# Altium PCB OneChannelPrototype.PcbDoc (part 1 of 2)
Units mil, origin at the board's own origin, x right, y up, seen from the top; angles counter-clockwise.
Board outline 6000 x 4000 mil, 2 copper layers (Top Layer, Bottom Layer); 251 components, 206 nets, 944 pads, 0 vias.
Unrouted connection lines stored in the file: 704.
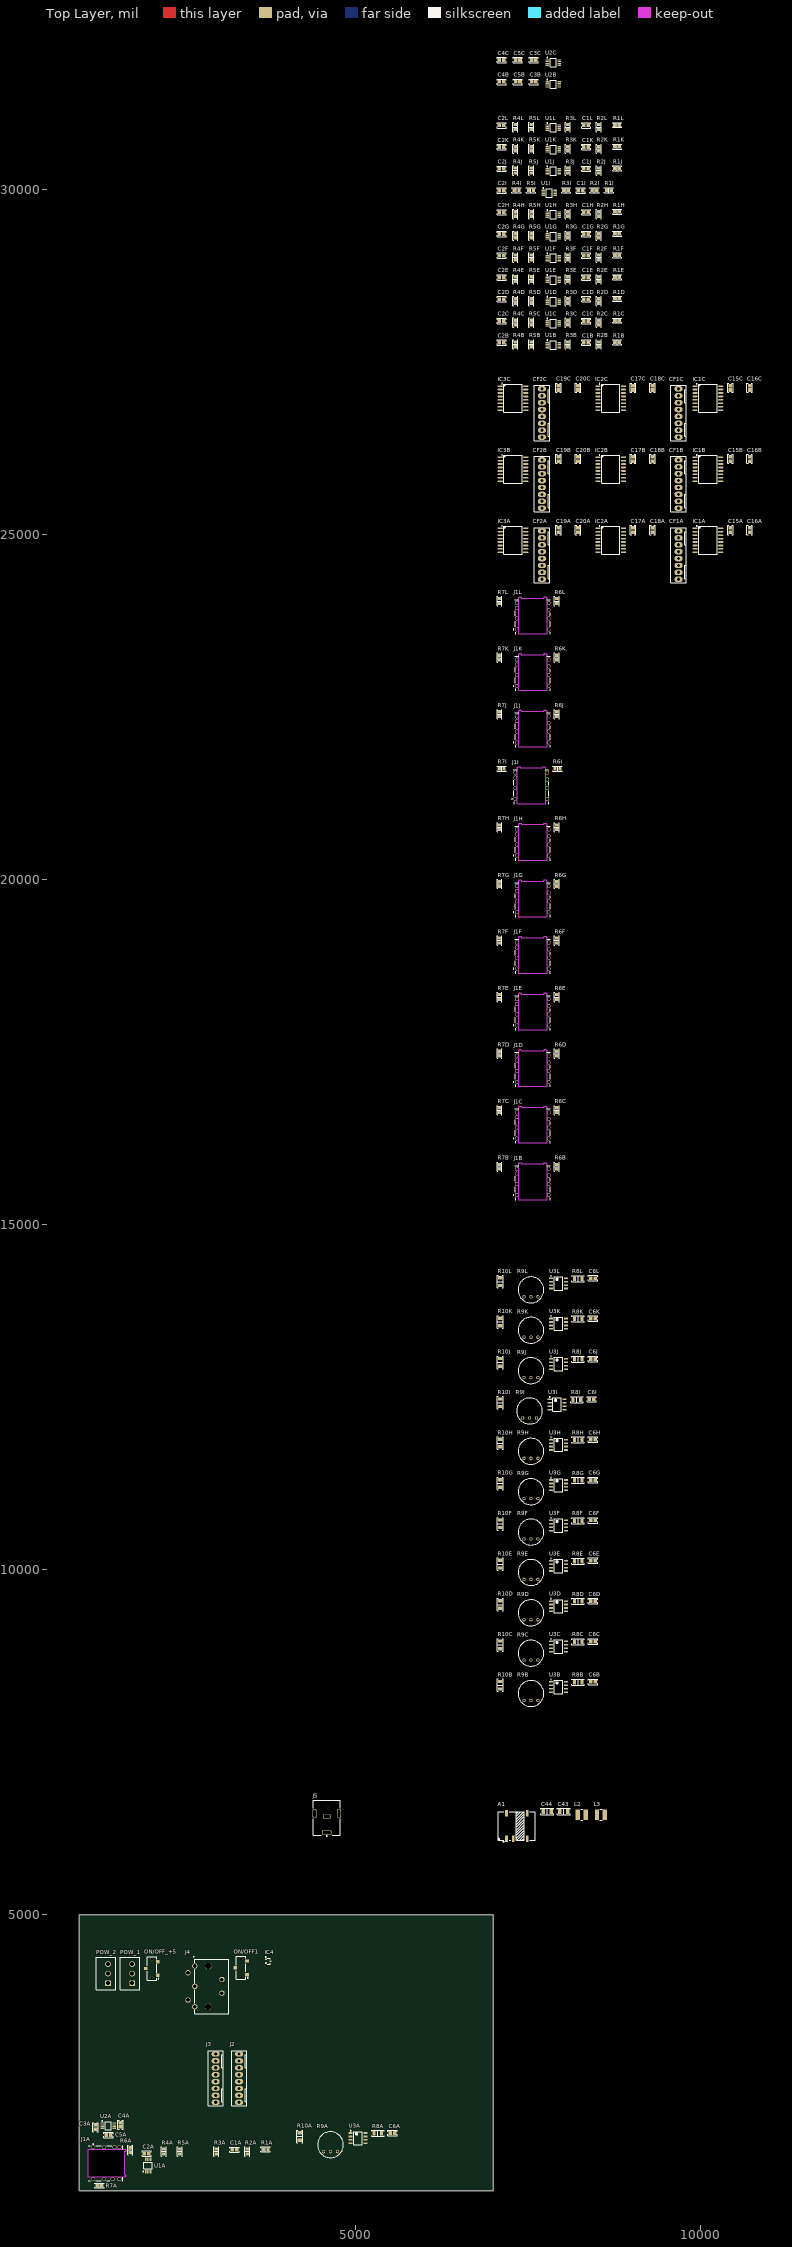
[diagram p0: Top Layer view]
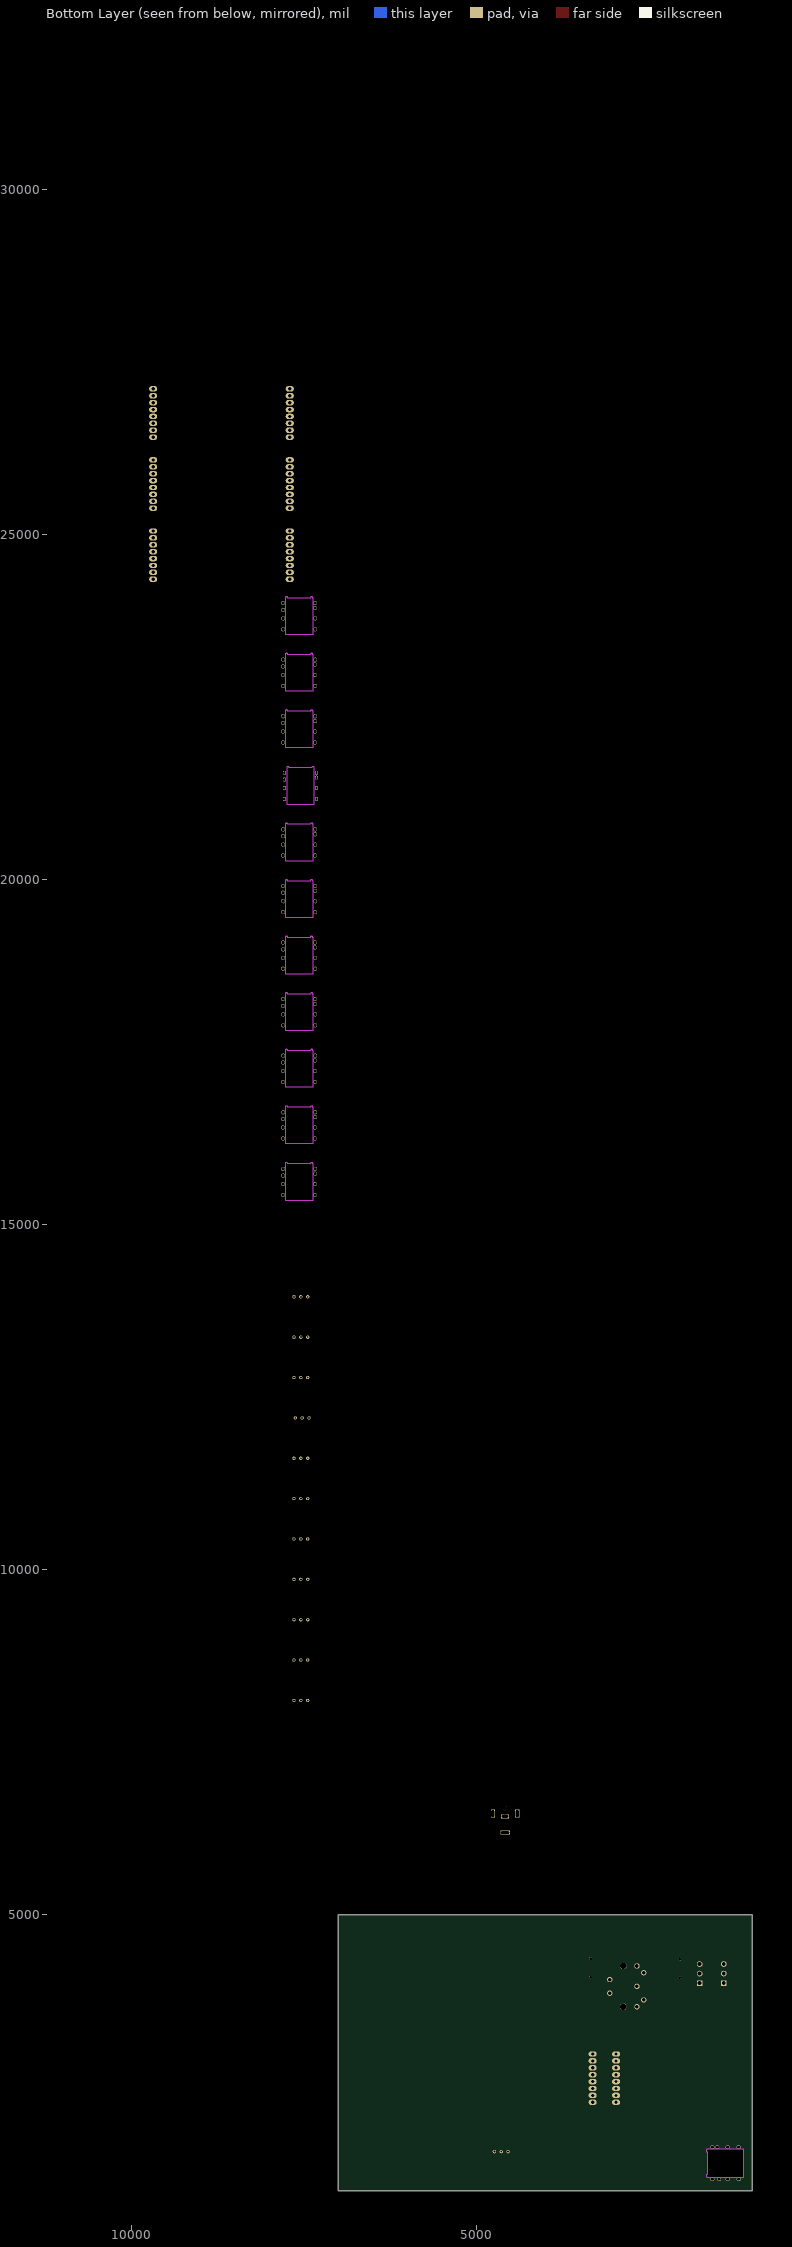
[diagram p1: Bottom Layer view, seen from below]

## Layer stack, top to bottom
Top Solder: solder mask 0.4, Solder Resist, Dk 3.5
Top Layer: signal copper 1.4
Dielectric 1: dielectric 12.6, FR-4, Dk 4.8
Bottom Layer: signal copper 1.4
Bottom Solder: solder mask 0.4, Solder Resist, Dk 3.5

## Board outline
1000,1000 7000,1000 7000,5000 1000,5000

## Design rules (kind name [scope] priority, off if disabled: settings)
Clearance [All] p1: gap=10 ignorepadtopadclearanceinfootprint=FALSE except(0: Arc-Hole Track-Hole SMDPad-Hole THPad-Hole Via-Hole Fill-Hole Poly-Hole Region-Hole Text-Hole)
PolygonConnect [All] p1: connectstyle=Relief reliefconductorwidth=10 reliefentries=4 polygonreliefangle="90 Angle" airgapwidth=10
RoomDefinition U_VrefSchC [InComponentClass('U_VrefSchC')] p1: confinementstyle=ConfineIn formatcopy=TRUE lockcomponents=FALSE outline 7045,31765 8000,31765 8000,32030 7045,32030
RoomDefinition U_VrefSchB [InComponentClass('U_VrefSchB')] p2: confinementstyle=ConfineIn formatcopy=TRUE lockcomponents=FALSE outline 7045,31450 8000,31450 8000,31715 7045,31715
RoomDefinition U_VrefSchA [InComponentClass('U_VrefSchA')] p3: confinementstyle=ConfineIn formatcopy=TRUE lockcomponents=FALSE outline 1136.5,1720 1636.5,1720 1636.5,2125 1136.5,2125
RoomDefinition U_VccConnSch [InComponentClass('U_VccConnSch')] p4: confinementstyle=ConfineIn formatcopy=TRUE lockcomponents=FALSE outline 4365,6120 4805,6120 4805,6775 4365,6775
RoomDefinition U_RTDAnalogL [InComponentClass('U_RTDAnalogL')] p5: confinementstyle=ConfineIn formatcopy=TRUE lockcomponents=FALSE outline 7045,30820 8905,30820 8905,31085 7045,31085
RoomDefinition U_RTDAnalogK [InComponentClass('U_RTDAnalogK')] p6: confinementstyle=ConfineIn formatcopy=TRUE lockcomponents=FALSE outline 7045,30505 8905,30505 8905,30770 7045,30770
RoomDefinition U_RTDAnalogJ [InComponentClass('U_RTDAnalogJ')] p7: confinementstyle=ConfineIn formatcopy=TRUE lockcomponents=FALSE outline 7045,30190 8905,30190 8905,30455 7045,30455
RoomDefinition U_RTDAnalogI [InComponentClass('U_RTDAnalogI')] p8: confinementstyle=ConfineIn formatcopy=TRUE lockcomponents=FALSE outline 7045,29875 8765,29875 8765,30140 7045,30140
RoomDefinition U_RTDAnalogH [InComponentClass('U_RTDAnalogH')] p9: confinementstyle=ConfineIn formatcopy=TRUE lockcomponents=FALSE outline 7045,29560 8905,29560 8905,29825 7045,29825
RoomDefinition U_RTDAnalogG [InComponentClass('U_RTDAnalogG')] p10: confinementstyle=ConfineIn formatcopy=TRUE lockcomponents=FALSE outline 7045,29245 8905,29245 8905,29510 7045,29510
RoomDefinition U_RTDAnalogF [InComponentClass('U_RTDAnalogF')] p11: confinementstyle=ConfineIn formatcopy=TRUE lockcomponents=FALSE outline 7045,28930 8905,28930 8905,29195 7045,29195
RoomDefinition U_RTDAnalogE [InComponentClass('U_RTDAnalogE')] p12: confinementstyle=ConfineIn formatcopy=TRUE lockcomponents=FALSE outline 7045,28615 8905,28615 8905,28880 7045,28880
RoomDefinition U_RTDAnalogD [InComponentClass('U_RTDAnalogD')] p13: confinementstyle=ConfineIn formatcopy=TRUE lockcomponents=FALSE outline 7045,28300 8905,28300 8905,28565 7045,28565
RoomDefinition U_RTDAnalogC [InComponentClass('U_RTDAnalogC')] p14: confinementstyle=ConfineIn formatcopy=TRUE lockcomponents=FALSE outline 7045,27985 8905,27985 8905,28250 7045,28250
RoomDefinition U_RTDAnalogB [InComponentClass('U_RTDAnalogB')] p15: confinementstyle=ConfineIn formatcopy=TRUE lockcomponents=FALSE outline 7045,27670 8905,27670 8905,27935 7045,27935
RoomDefinition U_RTDAnalogA [InComponentClass('U_RTDAnalogA')] p16: confinementstyle=ConfineIn formatcopy=TRUE lockcomponents=FALSE outline 1810,1090 3807.6,1090 3807.6,2120 1810,2120
RoomDefinition U_PowerIsolation [InComponentClass('U_PowerIsolation')] p17: confinementstyle=ConfineIn formatcopy=TRUE lockcomponents=FALSE outline 7045,6020 8680,6020 8680,6650 7045,6650
RoomDefinition U_PowerDelivery [InComponentClass('U_PowerDelivery')] p18: confinementstyle=ConfineIn formatcopy=TRUE lockcomponents=FALSE outline 1223,3550.59 3853,3550.59 3853,4505.59 1223,4505.59
RoomDefinition U_MonitorOut [InComponentClass('U_MonitorOut')] p19: confinementstyle=ConfineIn formatcopy=TRUE lockcomponents=FALSE outline 2825,2190 3465,2190 3465,3170 2825,3170
RoomDefinition U_IsolationOut [InComponentClass('U_IsolationOut')] p20: confinementstyle=ConfineIn formatcopy=TRUE lockcomponents=FALSE outline 7045,26325 10910,26325 10910,27305 7045,27305
RoomDefinition U_ConnGd- [InComponentClass('U_ConnGd-')] p21: confinementstyle=ConfineIn formatcopy=TRUE lockcomponents=FALSE outline 7045,25295 10910,25295 10910,26275 7045,26275
RoomDefinition U_ConnGD+ [InComponentClass('U_ConnGD+')] p22: confinementstyle=ConfineIn formatcopy=TRUE lockcomponents=FALSE outline 7045,24265 10910,24265 10910,25245 7045,25245
RoomDefinition U_ConnectorSchL [InComponentClass('U_ConnectorSchL')] p23: confinementstyle=ConfineIn formatcopy=TRUE lockcomponents=FALSE outline 7045,23440 8070,23440 8070,24215 7045,24215
RoomDefinition U_ConnectorSchK [InComponentClass('U_ConnectorSchK')] p24: confinementstyle=ConfineIn formatcopy=TRUE lockcomponents=FALSE outline 7045,22620 8070,22620 8070,23395 7045,23395
RoomDefinition U_ConnectorSchJ [InComponentClass('U_ConnectorSchJ')] p25: confinementstyle=ConfineIn formatcopy=TRUE lockcomponents=FALSE outline 7045,21800 8070,21800 8070,22575 7045,22575
RoomDefinition U_ConnectorSchI [InComponentClass('U_ConnectorSchI')] p26: confinementstyle=ConfineIn formatcopy=TRUE lockcomponents=FALSE outline 7045,20980 8030,20980 8030,21755 7045,21755
RoomDefinition U_ConnectorSchH [InComponentClass('U_ConnectorSchH')] p27: confinementstyle=ConfineIn formatcopy=TRUE lockcomponents=FALSE outline 7045,20160 8070,20160 8070,20935 7045,20935
RoomDefinition U_ConnectorSchG [InComponentClass('U_ConnectorSchG')] p28: confinementstyle=ConfineIn formatcopy=TRUE lockcomponents=FALSE outline 7045,19340 8070,19340 8070,20115 7045,20115
RoomDefinition U_ConnectorSchF [InComponentClass('U_ConnectorSchF')] p29: confinementstyle=ConfineIn formatcopy=TRUE lockcomponents=FALSE outline 7045,18520 8070,18520 8070,19295 7045,19295
RoomDefinition U_ConnectorSchE [InComponentClass('U_ConnectorSchE')] p30: confinementstyle=ConfineIn formatcopy=TRUE lockcomponents=FALSE outline 7045,17700 8070,17700 8070,18475 7045,18475
RoomDefinition U_ConnectorSchD [InComponentClass('U_ConnectorSchD')] p31: confinementstyle=ConfineIn formatcopy=TRUE lockcomponents=FALSE outline 7045,16880 8070,16880 8070,17655 7045,17655
RoomDefinition U_ConnectorSchC [InComponentClass('U_ConnectorSchC')] p32: confinementstyle=ConfineIn formatcopy=TRUE lockcomponents=FALSE outline 7045,16060 8070,16060 8070,16835 7045,16835
RoomDefinition U_ConnectorSchB [InComponentClass('U_ConnectorSchB')] p33: confinementstyle=ConfineIn formatcopy=TRUE lockcomponents=FALSE outline 7045,15240 8070,15240 8070,16015 7045,16015
RoomDefinition U_ConnectorSchA [InComponentClass('U_ConnectorSchA')] p34: confinementstyle=ConfineIn formatcopy=TRUE lockcomponents=FALSE outline 1005,1025 1785,1025 1785,1695 1005,1695
RoomDefinition U_ComparisonSchL [InComponentClass('U_ComparisonSchL')] p35: confinementstyle=ConfineIn formatcopy=TRUE lockcomponents=FALSE outline 7045,13835 8565,13835 8565,14375 7045,14375
RoomDefinition U_ComparisonSchK [InComponentClass('U_ComparisonSchK')] p36: confinementstyle=ConfineIn formatcopy=TRUE lockcomponents=FALSE outline 7045,13250 8565,13250 8565,13790 7045,13790
RoomDefinition U_ComparisonSchJ [InComponentClass('U_ComparisonSchJ')] p37: confinementstyle=ConfineIn formatcopy=TRUE lockcomponents=FALSE outline 7045,12665 8565,12665 8565,13205 7045,13205
RoomDefinition U_ComparisonSchI [InComponentClass('U_ComparisonSchI')] p38: confinementstyle=ConfineIn formatcopy=TRUE lockcomponents=FALSE outline 7045,12080 8525,12080 8525,12620 7045,12620
RoomDefinition U_ComparisonSchH [InComponentClass('U_ComparisonSchH')] p39: confinementstyle=ConfineIn formatcopy=TRUE lockcomponents=FALSE outline 7045,11495 8565,11495 8565,12035 7045,12035
RoomDefinition U_ComparisonSchG [InComponentClass('U_ComparisonSchG')] p40: confinementstyle=ConfineIn formatcopy=TRUE lockcomponents=FALSE outline 7045,10910 8565,10910 8565,11450 7045,11450
RoomDefinition U_ComparisonSchF [InComponentClass('U_ComparisonSchF')] p41: confinementstyle=ConfineIn formatcopy=TRUE lockcomponents=FALSE outline 7045,10325 8565,10325 8565,10865 7045,10865
RoomDefinition U_ComparisonSchE [InComponentClass('U_ComparisonSchE')] p42: confinementstyle=ConfineIn formatcopy=TRUE lockcomponents=FALSE outline 7045,9740 8565,9740 8565,10280 7045,10280
RoomDefinition U_ComparisonSchD [InComponentClass('U_ComparisonSchD')] p43: confinementstyle=ConfineIn formatcopy=TRUE lockcomponents=FALSE outline 7045,9155 8565,9155 8565,9695 7045,9695
RoomDefinition U_ComparisonSchC [InComponentClass('U_ComparisonSchC')] p44: confinementstyle=ConfineIn formatcopy=TRUE lockcomponents=FALSE outline 7045,8570 8565,8570 8565,9110 7045,9110
RoomDefinition U_ComparisonSchB [InComponentClass('U_ComparisonSchB')] p45: confinementstyle=ConfineIn formatcopy=TRUE lockcomponents=FALSE outline 7045,7985 8565,7985 8565,8525 7045,8525
RoomDefinition U_ComparisonSchA [InComponentClass('U_ComparisonSchA')] p46: confinementstyle=ConfineIn formatcopy=TRUE lockcomponents=FALSE outline 4140,1445 5660,1445 5660,1985 4140,1985
RoutingVias [All] p1: holewidth=28 width=50 viastyle="Through Hole" minholewidth=28 minwidth=50 maxholewidth=28 maxwidth=50
SolderMaskExpansion [All] p1: expansion=4
Width [All] p1: maxlimit=10 minlimit=10 preferedwidth=10
30 further rules are at their usual default settings.

## Classes and differential pairs
channel class VrefSch: U_VrefSchA U_VrefSchB U_VrefSchC
channel class RTDAnalog: U_RTDAnalogA U_RTDAnalogB U_RTDAnalogC U_RTDAnalogD U_RTDAnalogE U_RTDAnalogF U_RTDAnalogG U_RTDAnalogH U_RTDAnalogI U_RTDAnalogJ U_RTDAnalogK U_RTDAnalogL
channel class IsolationOut: U_ConnGD+ U_ConnGd- U_IsolationOut
channel class ConnectorSch: U_ConnectorSchA U_ConnectorSchB U_ConnectorSchC U_ConnectorSchD U_ConnectorSchE U_ConnectorSchF U_ConnectorSchG U_ConnectorSchH U_ConnectorSchI U_ConnectorSchJ U_ConnectorSchK U_ConnectorSchL
channel class ComparisonSch: U_ComparisonSchA U_ComparisonSchB U_ComparisonSchC U_ComparisonSchD U_ComparisonSchE U_ComparisonSchF U_ComparisonSchG U_ComparisonSchH U_ComparisonSchI U_ComparisonSchJ U_ComparisonSchK U_ComparisonSchL
net class Vrtd[1..12]: Vrtd1 Vrtd2 Vrtd3 Vrtd4 Vrtd5 Vrtd6 Vrtd7 Vrtd8 Vrtd9 Vrtd10 Vrtd11 Vrtd12
net class Vref[1..3]: Vref1 Vref2 Vref3
net class RTD_GND[1..12]: RTD_GND1 RTD_GND2 RTD_GND3 RTD_GND4 RTD_GND5 RTD_GND6 RTD_GND7 RTD_GND8 RTD_GND9 RTD_GND10 RTD_GND11 RTD_GND12
net class RTD-[1..12]: RTD-1 RTD-2 RTD-3 RTD-4 RTD-5 RTD-6 RTD-7 RTD-8 RTD-9 RTD-10 RTD-11 RTD-12
net class RTD+[1..12]: RTD+1 RTD+2 RTD+3 RTD+4 RTD+5 RTD+6 RTD+7 RTD+8 RTD+9 RTD+10 RTD+11 RTD+12
net class CF[1..12]: CF1 CF2 CF3 CF4 CF5 CF6 CF7 CF8 CF9 CF10 CF11 CF12
component class U_VrefSchC: C3C C4C C5C U2C
component class U_VrefSchB: C3B C4B C5B U2B
component class U_VrefSchA: C3A C4A C5A U2A
component class U_VccConnSch: J5
component class U_RTDAnalogL: C1L C2L R1L R2L R3L R4L R5L U1L
component class U_RTDAnalogK: C1K C2K R1K R2K R3K R4K R5K U1K
component class U_RTDAnalogJ: C1J C2J R1J R2J R3J R4J R5J U1J
component class U_RTDAnalogI: C1I C2I R1I R2I R3I R4I R5I U1I
component class U_RTDAnalogH: C1H C2H R1H R2H R3H R4H R5H U1H
component class U_RTDAnalogG: C1G C2G R1G R2G R3G R4G R5G U1G
component class U_RTDAnalogF: C1F C2F R1F R2F R3F R4F R5F U1F
component class U_RTDAnalogE: C1E C2E R1E R2E R3E R4E R5E U1E
component class U_RTDAnalogD: C1D C2D R1D R2D R3D R4D R5D U1D
component class U_RTDAnalogC: C1C C2C R1C R2C R3C R4C R5C U1C
component class U_RTDAnalogB: C1B C2B R1B R2B R3B R4B R5B U1B
component class U_RTDAnalogA: C1A C2A R1A R2A R3A R4A R5A U1A
component class U_PowerIsolation: A1 C43 C44 L2 L3
component class U_PowerDelivery: IC4 J4 ON/OFF1 ON/OFF_+5 POW_1 POW_2
component class U_Neg12V: U8
component class U_Neg5V: U6
component class U_MonitorOut: J2 J3
component class U_IsolationOut: C15C C16C C17C C18C C19C C20C CF1C CF2C IC1C IC2C IC3C
component class U_ConnGd-: C15B C16B C17B C18B C19B C20B CF1B CF2B IC1B IC2B IC3B
component class U_ConnGD+: C15A C16A C17A C18A C19A C20A CF1A CF2A IC1A IC2A IC3A
component class U_ConnectorSchL: J1L R6L R7L
component class U_ConnectorSchK: J1K R6K R7K
component class U_ConnectorSchJ: J1J R6J R7J
component class U_ConnectorSchI: J1I R6I R7I
component class U_ConnectorSchH: J1H R6H R7H
component class U_ConnectorSchG: J1G R6G R7G
component class U_ConnectorSchF: J1F R6F R7F
component class U_ConnectorSchE: J1E R6E R7E
component class U_ConnectorSchD: J1D R6D R7D
component class U_ConnectorSchC: J1C R6C R7C
component class U_ConnectorSchB: J1B R6B R7B
component class U_ConnectorSchA: J1A R6A R7A
component class U_ComparisonSchL: C6L R8L R9L R10L U3L
component class U_ComparisonSchK: C6K R8K R9K R10K U3K
component class U_ComparisonSchJ: C6J R8J R9J R10J U3J
component class U_ComparisonSchI: C6I R8I R9I R10I U3I
component class U_ComparisonSchH: C6H R8H R9H R10H U3H
component class U_ComparisonSchG: C6G R8G R9G R10G U3G
component class U_ComparisonSchF: C6F R8F R9F R10F U3F
component class U_ComparisonSchE: C6E R8E R9E R10E U3E
component class U_ComparisonSchD: C6D R8D R9D R10D U3D
component class U_ComparisonSchC: C6C R8C R9C R10C U3C
component class U_ComparisonSchB: C6B R8B R9B R10B U3B
component class U_ComparisonSchA: C6A R8A R9A R10A U3A

## Components (designator, comment, footprint, x,y, rotation, side; value= is the part's Value field where it differs from the comment)
A1 "NXJ1S0505MC-R7" "MURATA NXJ1" 7390,6285 r0 top
C1A "0.1uF" "CAP 0805/2012" 3247.6,1592.2 r0 top (schematic designator C1)
C1B "0.1uF" "CAP 0805/2012" 8345,27785 r0 top (schematic designator C1)
C1C "0.1uF" "CAP 0805/2012" 8345,28100 r0 top (schematic designator C1)
C1D "0.1uF" "CAP 0805/2012" 8345,28415 r0 top (schematic designator C1)
C1E "0.1uF" "CAP 0805/2012" 8345,28730 r0 top (schematic designator C1)
C1F "0.1uF" "CAP 0805/2012" 8345,29045 r0 top (schematic designator C1)
C1G "0.1uF" "CAP 0805/2012" 8345,29360 r0 top (schematic designator C1)
C1H "0.1uF" "CAP 0805/2012" 8345,29675 r0 top (schematic designator C1)
C1I "0.1uF" "CAP 0805/2012" 8265,29990 r0 top (schematic designator C1)
C1J "0.1uF" "CAP 0805/2012" 8345,30305 r0 top (schematic designator C1)
C1K "0.1uF" "CAP 0805/2012" 8345,30620 r0 top (schematic designator C1)
C1L "0.1uF" "CAP 0805/2012" 8345,30935 r0 top (schematic designator C1)
C2A "0.1uF" "CAP 0805/2012" 1975,1535 r0 top (schematic designator C2)
C2B "0.1uF" "CAP 0805/2012" 7120,27785 r0 top (schematic designator C2)
C2C "0.1uF" "CAP 0805/2012" 7120,28100 r0 top (schematic designator C2)
C2D "0.1uF" "CAP 0805/2012" 7120,28415 r0 top (schematic designator C2)
C2E "0.1uF" "CAP 0805/2012" 7120,28730 r0 top (schematic designator C2)
C2F "0.1uF" "CAP 0805/2012" 7120,29045 r0 top (schematic designator C2)
C2G "0.1uF" "CAP 0805/2012" 7120,29360 r0 top (schematic designator C2)
C2H "0.1uF" "CAP 0805/2012" 7120,29675 r0 top (schematic designator C2)
C2I "0.1uF" "CAP 0805/2012" 7120,29990 r0 top (schematic designator C2)
C2J "0.1uF" "CAP 0805/2012" 7120,30305 r0 top (schematic designator C2)
C2K "0.1uF" "CAP 0805/2012" 7120,30620 r0 top (schematic designator C2)
C2L "0.1uF" "CAP 0805/2012" 7120,30935 r0 top (schematic designator C2)
C3A "1uF" "CAP 0805/2012" 1231.5,1920 r90 top (schematic designator C3)
C3B "1uF" "CAP 0805/2012" 7585,31565 r0 top (schematic designator C3)
C3C "1uF" "CAP 0805/2012" 7585,31880 r0 top (schematic designator C3)
C4A "1uF" "CAP 0805/2012" 1596.5,1955 r270 top (schematic designator C4)
C4B "1uF" "CAP 0805/2012" 7120,31565 r0 top (schematic designator C4)
C4C "1uF" "CAP 0805/2012" 7120,31880 r0 top (schematic designator C4)
C5A "1uF" "CAP 0805/2012" 1421.5,1805 r0 top (schematic designator C5)
C5B "1uF" "CAP 0805/2012" 7355,31565 r0 top (schematic designator C5)
C5C "1uF" "CAP 0805/2012" 7355,31880 r0 top (schematic designator C5)
C6A "0.1uF" "CAP 0805/2012" 5540,1835 r0 top (schematic designator C6)
C6B "0.1uF" "CAP 0805/2012" 8445,8375 r0 top (schematic designator C6)
C6C "0.1uF" "CAP 0805/2012" 8445,8960 r0 top (schematic designator C6)
C6D "0.1uF" "CAP 0805/2012" 8445,9545 r0 top (schematic designator C6)
C6E "0.1uF" "CAP 0805/2012" 8445,10130 r0 top (schematic designator C6)
C6F "0.1uF" "CAP 0805/2012" 8445,10715 r0 top (schematic designator C6)
C6G "0.1uF" "CAP 0805/2012" 8445,11300 r0 top (schematic designator C6)
C6H "0.1uF" "CAP 0805/2012" 8445,11885 r0 top (schematic designator C6)
C6I "0.1uF" "CAP 0805/2012" 8425,12470 r0 top (schematic designator C6)
C6J "0.1uF" "CAP 0805/2012" 8445,13055 r0 top (schematic designator C6)
C6K "0.1uF" "CAP 0805/2012" 8445,13640 r0 top (schematic designator C6)
C6L "0.1uF" "CAP 0805/2012" 8445,14225 r0 top (schematic designator C6)
C15A "0.1uF" "CAP 0805/2012" 10435,25070 r90 top (schematic designator C15)
C15B "0.1uF" "CAP 0805/2012" 10435,26100 r90 top (schematic designator C15)
C15C "0.1uF" "CAP 0805/2012" 10435,27130 r90 top (schematic designator C15)
C16A "0.1uF" "CAP 0805/2012" 10715,25070 r90 top (schematic designator C16)
C16B "0.1uF" "CAP 0805/2012" 10715,26100 r90 top (schematic designator C16)
C16C "0.1uF" "CAP 0805/2012" 10715,27130 r90 top (schematic designator C16)
C17A "0.1uF" "CAP 0805/2012" 9025,25070 r90 top (schematic designator C17)
C17B "0.1uF" "CAP 0805/2012" 9025,26100 r90 top (schematic designator C17)
C17C "0.1uF" "CAP 0805/2012" 9025,27130 r90 top (schematic designator C17)
C18A "0.1uF" "CAP 0805/2012" 9305,25070 r90 top (schematic designator C18)
C18B "0.1uF" "CAP 0805/2012" 9305,26100 r90 top (schematic designator C18)
C18C "0.1uF" "CAP 0805/2012" 9305,27130 r90 top (schematic designator C18)
C19A "0.1uF" "CAP 0805/2012" 7945,25070 r90 top (schematic designator C19)
C19B "0.1uF" "CAP 0805/2012" 7945,26100 r90 top (schematic designator C19)
C19C "0.1uF" "CAP 0805/2012" 7945,27130 r90 top (schematic designator C19)
C20A "0.1uF" "CAP 0805/2012" 8225,25070 r90 top (schematic designator C20)
C20B "0.1uF" "CAP 0805/2012" 8225,26100 r90 top (schematic designator C20)
C20C "0.1uF" "CAP 0805/2012" 8225,27130 r90 top (schematic designator C20)
C43 "2.2uF" "CAP 1206/3216" 8020,6495 r0 top
C44 "4.7uF" "CAP 1206/3216 - 1.8MM" 7780,6495 r0 top
CF1A "0022272081" "MOLEX KK 0022272081" 9685,24705 r90 top (schematic designator CF1)
CF1B "0022272081" "MOLEX KK 0022272081" 9685,25735 r90 top (schematic designator CF1)
CF1C "0022272081" "MOLEX KK 0022272081" 9685,26765 r90 top (schematic designator CF1)
CF2A "0022272081" "MOLEX KK 0022272081" 7705,24705 r90 top (schematic designator CF2)
CF2B "0022272081" "MOLEX KK 0022272081" 7705,25735 r90 top (schematic designator CF2)
CF2C "0022272081" "MOLEX KK 0022272081" 7705,26765 r90 top (schematic designator CF2)
IC1A "SI8640BD-B-IS" "SI LABS SOIC-16 WIDE" 10110,24920 r0 top (schematic designator IC1)
IC1B "SI8640BD-B-IS" "SI LABS SOIC-16 WIDE" 10110,25950 r0 top (schematic designator IC1)
IC1C "SI8640BD-B-IS" "SI LABS SOIC-16 WIDE" 10110,26980 r0 top (schematic designator IC1)
IC2A "SI8640BD-B-IS" "SI LABS SOIC-16 WIDE" 8700,24920 r0 top (schematic designator IC2)
IC2B "SI8640BD-B-IS" "SI LABS SOIC-16 WIDE" 8700,25950 r0 top (schematic designator IC2)
IC2C "SI8640BD-B-IS" "SI LABS SOIC-16 WIDE" 8700,26980 r0 top (schematic designator IC2)
IC3A "SI8640BD-B-IS" "SI LABS SOIC-16 WIDE" 7285,24920 r0 top (schematic designator IC3)
IC3B "SI8640BD-B-IS" "SI LABS SOIC-16 WIDE" 7285,25950 r0 top (schematic designator IC3)
IC3C "SI8640BD-B-IS" "SI LABS SOIC-16 WIDE" 7285,26980 r0 top (schematic designator IC3)
IC4 "BSS138WH6327XTSA1" "INFINEON SOT-323-3" 3738,4325.59 r0 top
J1A "SJ-3506-SMT-TR" CUI-SJ-3506-SMT-TR_V 1389.96,1397.17 r0 top (schematic designator J1)
J1B "SJ-3506-SMT-TR" CUI-SJ-3506-SMT-TR_V 7570,15620 r90 top (schematic designator J1)
J1C "SJ-3506-SMT-TR" CUI-SJ-3506-SMT-TR_V 7570,16440 r90 top (schematic designator J1)
J1D "SJ-3506-SMT-TR" CUI-SJ-3506-SMT-TR_V 7570,17260 r90 top (schematic designator J1)
J1E "SJ-3506-SMT-TR" CUI-SJ-3506-SMT-TR_V 7570,18080 r90 top (schematic designator J1)
J1F "SJ-3506-SMT-TR" CUI-SJ-3506-SMT-TR_V 7570,18900 r90 top (schematic designator J1)
J1G "SJ-3506-SMT-TR" CUI-SJ-3506-SMT-TR_V 7570,19720 r90 top (schematic designator J1)
J1H "SJ-3506-SMT-TR" CUI-SJ-3506-SMT-TR_V 7570,20540 r90 top (schematic designator J1)
J1I "SJ-3506-SMT-TR" CUI-SJ-3506-SMT-TR_V 7550,21360 r90 top (schematic designator J1)
J1J "SJ-3506-SMT-TR" CUI-SJ-3506-SMT-TR_V 7570,22180 r90 top (schematic designator J1)
J1K "SJ-3506-SMT-TR" CUI-SJ-3506-SMT-TR_V 7570,23000 r90 top (schematic designator J1)
J1L "SJ-3506-SMT-TR" CUI-SJ-3506-SMT-TR_V 7570,23820 r90 top (schematic designator J1)
J2 "0022272081" "MOLEX KK 0022272081" 3315,2630 r90 top
J3 "0022272081" "MOLEX KK 0022272081" 2975,2630 r90 top
J4 "SDS-50J" "CUI SDS-50J" 2673,3960.59 r90 top
J5 "PJ-063AH" CUI-PJ-063AH_V 4585,6425 r90 top
L2 "VLCF4024T-4R7N1R4-2" "TDK VLCF4024-2" 8280,6450 r0 top value=4.7uH
L3 "VLCF4024T-100MR90-2" "TDK VLCF4024-2" 8560,6450 r0 top value=10uH
ON/OFF1 "CL-SB-12B-01T" SW_CL-SB-12B-01 3363,4230.59 r90 top
ON/OFF_+5 "CL-SB-12B-01T" SW_CL-SB-12B-01 2068,4220.59 r90 top
POW_1 "691321100003" 691321100003 1733,4145.59 r90 top
POW_2 "691321100003" 691321100003 1383,4145.59 r90 top
R1A "4.99k" "RES 0805/2012" 3697.6,1597.2 r0 top (schematic designator R1)
R1B "4.99k" "RES 0805/2012" 8795,27790 r0 top (schematic designator R1)
R1C "4.99k" "RES 0805/2012" 8795,28105 r0 top (schematic designator R1)
R1D "4.99k" "RES 0805/2012" 8795,28420 r0 top (schematic designator R1)
R1E "4.99k" "RES 0805/2012" 8795,28735 r0 top (schematic designator R1)
R1F "4.99k" "RES 0805/2012" 8795,29050 r0 top (schematic designator R1)
R1G "4.99k" "RES 0805/2012" 8795,29365 r0 top (schematic designator R1)
R1H "4.99k" "RES 0805/2012" 8795,29680 r0 top (schematic designator R1)
R1I "4.99k" "RES 0805/2012" 8675,29995 r0 top (schematic designator R1)
R1J "4.99k" "RES 0805/2012" 8795,30310 r0 top (schematic designator R1)
R1K "4.99k" "RES 0805/2012" 8795,30625 r0 top (schematic designator R1)
R1L "4.99k" "RES 0805/2012" 8795,30940 r0 top (schematic designator R1)
R2A "4.99k" "RES 0805/2012" 3432.6,1567.2 r90 top (schematic designator R2)
R2B "4.99k" "RES 0805/2012" 8530,27760 r90 top (schematic designator R2)
R2C "4.99k" "RES 0805/2012" 8530,28075 r90 top (schematic designator R2)
R2D "4.99k" "RES 0805/2012" 8530,28390 r90 top (schematic designator R2)
R2E "4.99k" "RES 0805/2012" 8530,28705 r90 top (schematic designator R2)
R2F "4.99k" "RES 0805/2012" 8530,29020 r90 top (schematic designator R2)
R2G "4.99k" "RES 0805/2012" 8530,29335 r90 top (schematic designator R2)
R2H "4.99k" "RES 0805/2012" 8530,29650 r90 top (schematic designator R2)
R2I "4.99k" "RES 0805/2012" 8465,29995 r0 top (schematic designator R2)
R2J "4.99k" "RES 0805/2012" 8530,30280 r90 top (schematic designator R2)
R2K "4.99k" "RES 0805/2012" 8530,30595 r90 top (schematic designator R2)
R2L "4.99k" "RES 0805/2012" 8530,30910 r90 top (schematic designator R2)
R3A "118" "RES 0805/2012" 2982.6,1567.2 r90 top (schematic designator R3)
R3B "118" "RES 0805/2012" 8080,27760 r90 top (schematic designator R3)
R3C "118" "RES 0805/2012" 8080,28075 r90 top (schematic designator R3)
R3D "118" "RES 0805/2012" 8080,28390 r90 top (schematic designator R3)
R3E "118" "RES 0805/2012" 8080,28705 r90 top (schematic designator R3)
R3F "118" "RES 0805/2012" 8080,29020 r90 top (schematic designator R3)
R3G "118" "RES 0805/2012" 8080,29335 r90 top (schematic designator R3)
R3H "118" "RES 0805/2012" 8080,29650 r90 top (schematic designator R3)
R3I "118" "RES 0805/2012" 8055,29995 r0 top (schematic designator R3)
R3J "118" "RES 0805/2012" 8080,30280 r90 top (schematic designator R3)
R3K "118" "RES 0805/2012" 8080,30595 r90 top (schematic designator R3)
R3L "118" "RES 0805/2012" 8080,30910 r90 top (schematic designator R3)
R4A "107" "RES 0805/2012" 2222.6,1567.2 r90 top (schematic designator R4)
R4B "107" "RES 0805/2012" 7320,27760 r90 top (schematic designator R4)
R4C "107" "RES 0805/2012" 7320,28075 r90 top (schematic designator R4)
R4D "107" "RES 0805/2012" 7320,28390 r90 top (schematic designator R4)
R4E "107" "RES 0805/2012" 7320,28705 r90 top (schematic designator R4)
R4F "107" "RES 0805/2012" 7320,29020 r90 top (schematic designator R4)
R4G "107" "RES 0805/2012" 7320,29335 r90 top (schematic designator R4)
R4H "107" "RES 0805/2012" 7320,29650 r90 top (schematic designator R4)
R4I "107" "RES 0805/2012" 7335,29995 r0 top (schematic designator R4)
R4J "107" "RES 0805/2012" 7320,30280 r90 top (schematic designator R4)
R4K "107" "RES 0805/2012" 7320,30595 r90 top (schematic designator R4)
R4L "107" "RES 0805/2012" 7320,30910 r90 top (schematic designator R4)
R5A "10.2k" "RES 0805/2012" 2452.6,1567.2 r90 top (schematic designator R5)
R5B "10.2k" "RES 0805/2012" 7550,27760 r90 top (schematic designator R5)
R5C "10.2k" "RES 0805/2012" 7550,28075 r90 top (schematic designator R5)
R5D "10.2k" "RES 0805/2012" 7550,28390 r90 top (schematic designator R5)
R5E "10.2k" "RES 0805/2012" 7550,28705 r90 top (schematic designator R5)
R5F "10.2k" "RES 0805/2012" 7550,29020 r90 top (schematic designator R5)
R5G "10.2k" "RES 0805/2012" 7550,29335 r90 top (schematic designator R5)
R5H "10.2k" "RES 0805/2012" 7550,29650 r90 top (schematic designator R5)
R5I "10.2k" "RES 0805/2012" 7545,29995 r0 top (schematic designator R5)
R5J "10.2k" "RES 0805/2012" 7550,30280 r90 top (schematic designator R5)
R5K "10.2k" "RES 0805/2012" 7550,30595 r90 top (schematic designator R5)
R5L "10.2k" "RES 0805/2012" 7550,30910 r90 top (schematic designator R5)
R6A "15.8k" "RES 0805/2012" 1735,1589.45 r90 top (schematic designator R6)
R6B "15.8k" "RES 0805/2012" 7920,15840 r90 top (schematic designator R6)
R6C "15.8k" "RES 0805/2012" 7920,16660 r90 top (schematic designator R6)
R6D "15.8k" "RES 0805/2012" 7920,17480 r90 top (schematic designator R6)
R6E "15.8k" "RES 0805/2012" 7920,18300 r90 top (schematic designator R6)
R6F "15.8k" "RES 0805/2012" 7920,19120 r90 top (schematic designator R6)
R6G "15.8k" "RES 0805/2012" 7920,19940 r90 top (schematic designator R6)
R6H "15.8k" "RES 0805/2012" 7920,20760 r90 top (schematic designator R6)
R6I "15.8k" "RES 0805/2012" 7930,21610 r0 top (schematic designator R6)
R6J "15.8k" "RES 0805/2012" 7920,22400 r90 top (schematic designator R6)
R6K "15.8k" "RES 0805/2012" 7920,23220 r90 top (schematic designator R6)
R6L "15.8k" "RES 0805/2012" 7920,24040 r90 top (schematic designator R6)
R7A "15.8k" "RES 0805/2012" 1290,1074.45 r180 top (schematic designator R7)
R7B "15.8k" "RES 0805/2012" 7090,15840 r90 top (schematic designator R7)
R7C "15.8k" "RES 0805/2012" 7090,16660 r90 top (schematic designator R7)
R7D "15.8k" "RES 0805/2012" 7090,17480 r90 top (schematic designator R7)
R7E "15.8k" "RES 0805/2012" 7090,18300 r90 top (schematic designator R7)
R7F "15.8k" "RES 0805/2012" 7090,19120 r90 top (schematic designator R7)
R7G "15.8k" "RES 0805/2012" 7090,19940 r90 top (schematic designator R7)
R7H "15.8k" "RES 0805/2012" 7090,20760 r90 top (schematic designator R7)
R7I "15.8k" "RES 0805/2012" 7120,21610 r0 top (schematic designator R7)
R7J "15.8k" "RES 0805/2012" 7090,22400 r90 top (schematic designator R7)
R7K "15.8k" "RES 0805/2012" 7090,23220 r90 top (schematic designator R7)
R7L "15.8k" "RES 0805/2012" 7090,24040 r90 top (schematic designator R7)
R8A "1k" "RES 1206/3216" 5325,1830 r0 top (schematic designator R8)
R8B "1k" "RES 1206/3216" 8230,8370 r0 top (schematic designator R8)
R8C "1k" "RES 1206/3216" 8230,8955 r0 top (schematic designator R8)
R8D "1k" "RES 1206/3216" 8230,9540 r0 top (schematic designator R8)
R8E "1k" "RES 1206/3216" 8230,10125 r0 top (schematic designator R8)
R8F "1k" "RES 1206/3216" 8230,10710 r0 top (schematic designator R8)
R8G "1k" "RES 1206/3216" 8230,11295 r0 top (schematic designator R8)
R8H "1k" "RES 1206/3216" 8230,11880 r0 top (schematic designator R8)
R8I "1k" "RES 1206/3216" 8210,12465 r0 top (schematic designator R8)
R8J "1k" "RES 1206/3216" 8230,13050 r0 top (schematic designator R8)
R8K "1k" "RES 1206/3216" 8230,13635 r0 top (schematic designator R8)
R8L "1k" "RES 1206/3216" 8230,14220 r0 top (schematic designator R8)
R9A "20k" "POT MODEL91A" 4640,1665 r0 top (schematic designator R9)
R9B "20k" "POT MODEL91A" 7545,8205 r0 top (schematic designator R9)
R9C "20k" "POT MODEL91A" 7545,8790 r0 top (schematic designator R9)
R9D "20k" "POT MODEL91A" 7545,9375 r0 top (schematic designator R9)
R9E "20k" "POT MODEL91A" 7545,9960 r0 top (schematic designator R9)
R9F "20k" "POT MODEL91A" 7545,10545 r0 top (schematic designator R9)
R9G "20k" "POT MODEL91A" 7545,11130 r0 top (schematic designator R9)
R9H "20k" "POT MODEL91A" 7545,11715 r0 top (schematic designator R9)
R9I "20k" "POT MODEL91A" 7525,12300 r0 top (schematic designator R9)
R9J "20k" "POT MODEL91A" 7545,12885 r0 top (schematic designator R9)
R9K "20k" "POT MODEL91A" 7545,13470 r0 top (schematic designator R9)
R9L "20k" "POT MODEL91A" 7545,14055 r0 top (schematic designator R9)
R10A "510k" "RES 1206/3216" 4195,1785 r90 top (schematic designator R10)
R10B "510k" "RES 1206/3216" 7100,8325 r90 top (schematic designator R10)
R10C "510k" "RES 1206/3216" 7100,8910 r90 top (schematic designator R10)
R10D "510k" "RES 1206/3216" 7100,9495 r90 top (schematic designator R10)
R10E "510k" "RES 1206/3216" 7100,10080 r90 top (schematic designator R10)
R10F "510k" "RES 1206/3216" 7100,10665 r90 top (schematic designator R10)
R10G "510k" "RES 1206/3216" 7100,11250 r90 top (schematic designator R10)
R10H "510k" "RES 1206/3216" 7100,11835 r90 top (schematic designator R10)
R10I "510k" "RES 1206/3216" 7100,12420 r90 top (schematic designator R10)
R10J "510k" "RES 1206/3216" 7100,13005 r90 top (schematic designator R10)
R10K "510k" "RES 1206/3216" 7100,13590 r90 top (schematic designator R10)
R10L "510k" "RES 1206/3216" 7100,14175 r90 top (schematic designator R10)
U1A "INA826AIDGKR" DGK0008A_N 1995,1365 r90 top (schematic designator U1)
U1B "INA826AIDGKR" DGK0008A_N 7870,27750 r0 top (schematic designator U1)
U1C "INA826AIDGKR" DGK0008A_N 7870,28065 r0 top (schematic designator U1)
U1D "INA826AIDGKR" DGK0008A_N 7870,28380 r0 top (schematic designator U1)
U1E "INA826AIDGKR" DGK0008A_N 7870,28695 r0 top (schematic designator U1)
U1F "INA826AIDGKR" DGK0008A_N 7870,29010 r0 top (schematic designator U1)
U1G "INA826AIDGKR" DGK0008A_N 7870,29325 r0 top (schematic designator U1)
U1H "INA826AIDGKR" DGK0008A_N 7870,29640 r0 top (schematic designator U1)
U1I "INA826AIDGKR" DGK0008A_N 7810,29955 r0 top (schematic designator U1)
U1J "INA826AIDGKR" DGK0008A_N 7870,30270 r0 top (schematic designator U1)
U1K "INA826AIDGKR" DGK0008A_N 7870,30585 r0 top (schematic designator U1)
U1L "INA826AIDGKR" DGK0008A_N 7870,30900 r0 top (schematic designator U1)
U2A "REF5050IDGKT" DGK0008A_N 1417.99,1940 r0 top (schematic designator U2)
U2B "REF5050IDGKT" DGK0008A_N 7870,31530 r0 top (schematic designator U2)
U2C "REF5050IDGKT" DGK0008A_N 7870,31845 r0 top (schematic designator U2)
U3A "LM311DR2G" ONSC-SOIC-8-751-07_V 5040,1760 r0 top (schematic designator U3)
U3B "LM311DR2G" ONSC-SOIC-8-751-07_V 7945,8300 r0 top (schematic designator U3)
U3C "LM311DR2G" ONSC-SOIC-8-751-07_V 7945,8885 r0 top (schematic designator U3)
U3D "LM311DR2G" ONSC-SOIC-8-751-07_V 7945,9470 r0 top (schematic designator U3)
U3E "LM311DR2G" ONSC-SOIC-8-751-07_V 7945,10055 r0 top (schematic designator U3)
U3F "LM311DR2G" ONSC-SOIC-8-751-07_V 7945,10640 r0 top (schematic designator U3)
U3G "LM311DR2G" ONSC-SOIC-8-751-07_V 7945,11225 r0 top (schematic designator U3)
U3H "LM311DR2G" ONSC-SOIC-8-751-07_V 7945,11810 r0 top (schematic designator U3)
U3I "LM311DR2G" ONSC-SOIC-8-751-07_V 7925,12395 r0 top (schematic designator U3)
U3J "LM311DR2G" ONSC-SOIC-8-751-07_V 7945,12980 r0 top (schematic designator U3)
U3K "LM311DR2G" ONSC-SOIC-8-751-07_V 7945,13565 r0 top (schematic designator U3)
U3L "LM311DR2G" ONSC-SOIC-8-751-07_V 7945,14150 r0 top (schematic designator U3)

## Footprints (in the part's own frame and the unit in brackets; to place one, negate y for a bottom-side part, rotate by r counter-clockwise, add the part's x,y. Pads: shape width x height; smd on the part's side, far side on the other; paste and mask are expansions set on the pad)
691321100003 [mm] "Vertical PCB Header, pitch 3.5mm, 03p"
  rect 2.1x2.1 hole 1.4: 1(-3.5,-0.8)
  round 2.1 hole 1.4: 2(0,-0.8) 3(3.5,-0.8)
  silkscreen extent -5.95,-3.6 5.95,3.6, body extent -5.95,-3.6 5.95,3.6, height 9.3
"CAP 0805/2012" [mm] "Chip Capacitor, 2-Leads, Body 2.00x1.20mm, IPC Medium Density"
  rect 1.3x1.4 smd: 1(-0.8,0) 2(0.8,0)
  silkscreen extent -1.7,-1 1.7,1, body extent -1,-0.64 1,0.64, height 1.26
"CAP 1206/3216" [mm] "Chip Capacitor, 2-Leads, Body 3.25x1.60mm, IPC Medium Density"
  rect 1.3x1.8 smd: 1(-1.45,0) 2(1.45,0)
  silkscreen extent -2.37,-1.12 2.37,1.12, body extent -1.6,-0.81 1.6,0.81, height 1.62
"CAP 1206/3216 - 1.8MM" [mm] "Chip Capacitor, 2-Leads, Body 3.25x1.60mm, IPC Medium Density"
  rect 1.3x1.8 smd: 1(-1.45,0) 2(1.45,0)
  silkscreen extent -2.37,-1.12 2.37,1.12, body extent -1.6,-0.8 1.6,0.8, height 1.8
"CUI SDS-50J" [mm]
  round 1.95 hole 1.3: 1(7.5,0) 2(0,0) 3(-7.5,0) 4(5,2.5) 5(-5,2.5) S1(-2.5,-10) S2(2.5,-10)
  round 2.4 hole 2.4 unplated: None(-7.5,-5) None(7.5,-5)
  silkscreen extent -10,-12.5 11,0.5, body extent -10,-12.5 10,3, height 21.2
CUI-PJ-063AH_V [mm] "THD, 2-Leads, Body 13x10mm, Height 9mm"
  rect 1.5x3.5 hole 1 slot 3 at 90 deg: 1(-6,0)
  rect 1.5x2.8 hole 1 slot 2.3 at 90 deg: 2(0,0)
  rect 3x1.5 hole 1 slot 2.5 at 0 deg: 3(1,4.5) 4(1,-4.5)
  round 1.4 hole 1.7 unplated: 5(3,0)
  silkscreen extent -7.42,-5 6,5, body extent -7,-5.15 6,5.15, height 9
CUI-SJ-3506-SMT-TR_V [mm] "Jack, 6-Leads, Body 15.4x12.8mm"
  oval 1.5x1.2 hole 0.7 slot 1 at 0 deg unplated paste-1: 1(-4.825,5.9) 2(3.025,5.9) 3(4.825,-5.9) 4(2.325,-5.9) 5(-4.825,-5.9) 6(4.825,5.9) 7(-0.795,5.9) 8(-0.795,-5.9)
  Keep-Out Layer board cut-out: -6.675,5.125 6.625,5.125 6.671,5.123 6.716,5.117 6.76,5.106 6.803,5.092 6.846,5.074 6.886,5.052 6.924,5.026 6.959,4.997 6.98,4.977 6.999,4.957 7.034,4.913 7.062,4.867 7.085,4.821 7.103,4.773 7.115,4.724 7.123,4.675 7.125,4.625 7.123,4.581 7.117,4.537 7.107,4.493 7.094,4.45 7.076,4.408 7.054,4.369 7.042,4.349 7.029,4.33 7.001,4.295 6.983,4.276 6.964,4.258 6.944,4.24 6.923,4.224 6.902,4.209 6.88,4.195 6.833,4.17 6.808,4.16 6.783,4.15 6.757,4.143 6.731,4.136 6.705,4.131 6.678,4.128 6.652,4.126 6.625,4.125 6.625,-4.125 6.65,-4.126 6.674,-4.127 6.723,-4.135 6.772,-4.147 6.817,-4.163 6.863,-4.185 6.907,-4.212 6.947,-4.242 6.983,-4.275 7.017,-4.314 7.046,-4.355 7.071,-4.398 7.081,-4.421 7.091,-4.443 7.099,-4.465 7.106,-4.488 7.117,-4.534 7.123,-4.581 7.125,-4.625 7.123,-4.671 7.117,-4.717 7.106,-4.762 7.092,-4.805 7.072,-4.849 7.06,-4.871 7.047,-4.892 7.034,-4.912 7.02,-4.932 6.989,-4.968 6.971,-4.986 6.952,-5.004 6.933,-5.019 6.912,-5.035 6.891,-5.049 6.869,-5.061 6.847,-5.073 6.824,-5.084 6.801,-5.093 6.777,-5.101 6.752,-5.109 6.727,-5.115 6.702,-5.119 6.677,-5.122 6.651,-5.124 6.625,-5.125 -6.675,-5.125
  silkscreen extent -6.67,-6.4 6.03,7.17, body extent -9.37,-6.4 6.03,6.4, height 3.26
DGK0008A_N [mm] "TSOP, 8-Leads, Body 3.1x3.1mm, Pitch 0.65mm, IPC Medium Density"
  rrect22% 1.35x0.45 smd: 1(-2.225,0.975) 2(-2.225,0.325) 3(-2.225,-0.325) 4(-2.225,-0.975) 5(2.225,-0.975) 6(2.225,-0.325) 7(2.225,0.325) 8(2.225,0.975)
  silkscreen extent -2.35,-1.55 1.15,1.9, body extent -2.45,-1.5 2.45,1.5, height 0.94
"INFINEON SOT-323-3" [mm] "SOT323, 3-Leads, Body 2.00x2.10mm, Pitch 0.65mm, IPC Medium Density"
  rect 0.8x0.6 smd: 1(-0.8,0.65) 2(0.8,0) 3(-0.8,-0.65)
  silkscreen extent -1.07,-1.1 0.67,1.67, body extent -1.06,-1 1.06,1, height 1
"MOLEX KK 0022272081" [mm]
  oval 2x3 hole 1.2: 1(-8.89,0) 2(-6.35,0) 3(-3.81,0) 4(-1.27,0) 5(1.27,0) 6(3.81,0) 7(6.35,0) 8(8.89,0)
  silkscreen extent -10.16,-2.79 10.16,2.79, body extent -10.16,-2.9 10.16,2.9, height 11.7
"MURATA NXJ1" [mm]
  rect 1x2.3 smd: 1(-5.08,-4.7) 3(-2.54,-4.7) 7(2.54,-4.7) 8(2.54,4.7) 14(-5.08,4.7)
  silkscreen extent -8.12,-5.9 5.6,5.21, body extent -8.13,-5.23 5.59,5.23, height 4.22
ONSC-SOIC-8-751-07_V [mm] "SOIC, 8-Leads, Body 4.9x3.9mm, Pitch 1.27mm"
  rect 1.52x0.6 smd: 1(-2.74,1.905) 2(-2.74,0.635) 3(-2.74,-0.635) 4(-2.74,-1.905) 5(2.74,-1.905) 6(2.74,-0.635) 7(2.74,0.635) 8(2.74,1.905)
  silkscreen extent -2.86,-2.45 1.58,2.88, body extent -1.95,-2.45 1.95,2.45, height 1.75
"POT MODEL91A" [mm]
  round 1.2 hole 0.7: 1(-2.54,-2.54) 2(0,-2.54) 3(2.54,-2.54)
  silkscreen extent -4.76,-4.76 4.76,4.76, body extent -4.68,-4.88 4.68,4.7, height 4.89
"RES 0805/2012" [mm] "Chip Resistor, 2-Leads, Body 2.00x1.25mm, IPC Medium Density"
  rect 1.15x1.35 smd: 1(-0.875,0) 2(0.875,0)
  silkscreen extent -1.7,-0.9 1.7,0.9, body extent -0.95,-0.62 1.05,0.63, height 0.6
"RES 1206/3216" [mm] "Chip Resistor, 2-Leads, Body 3.13x1.55mm, IPC Medium Density"
  rect 1.2x1.65 smd: 1(-1.4,0) 2(1.4,0)
  silkscreen extent -2.3,-1.1 2.3,1.1, body extent -1.57,-0.8 1.62,0.8, height 0.6
"SI LABS SOIC-16 WIDE" [mm] "SOIC, 16-Leads, Body 10.30x7.50mm, Pitch 1.27mm, IPC Medium Density"
  oval 1.9x0.6 smd: 1(-4.7,4.445) 2(-4.7,3.175) 3(-4.7,1.905) 4(-4.7,0.635) 5(-4.7,-0.635) 6(-4.7,-1.905) 7(-4.7,-3.175) 8(-4.7,-4.445) 9(4.7,-4.445) 10(4.7,-3.175) 11(4.7,-1.905) 12(4.7,-0.635) 13(4.7,0.635) 14(4.7,1.905) 15(4.7,3.175) 16(4.7,4.445)
  silkscreen extent -4.22,-5.15 3.35,5.42, body extent -5.16,-5.15 5.16,5.15, height 2.65
SW_CL-SB-12B-01 [mm]
  rect 1.2x1.4 smd: 1(-2.544,-1.743) 2(-0.044,2.657) 3(2.456,-1.743)
  round 0.9 hole 0.9 unplated: MH1(-3.444,0.457) MH2(3.356,0.457)
  silkscreen extent -4.29,-2.11 4.21,2.21, body extent -4.29,-1.29 4.21,2.21, height 5.5
"TDK VLCF4024-2" [mm] "Precision Wire Wound Inductor, 2-Leads, Body 4.00x4.00mm, IPC Medium Density"
  rect 1.6x3.9 smd: 1(-1.45,0) 2(1.45,0)
  silkscreen extent -0.4,-2 0.4,2, body extent -2.05,-2 2.05,2, height 2.4